# Altium PCB PCB1.PcbDoc (continued)
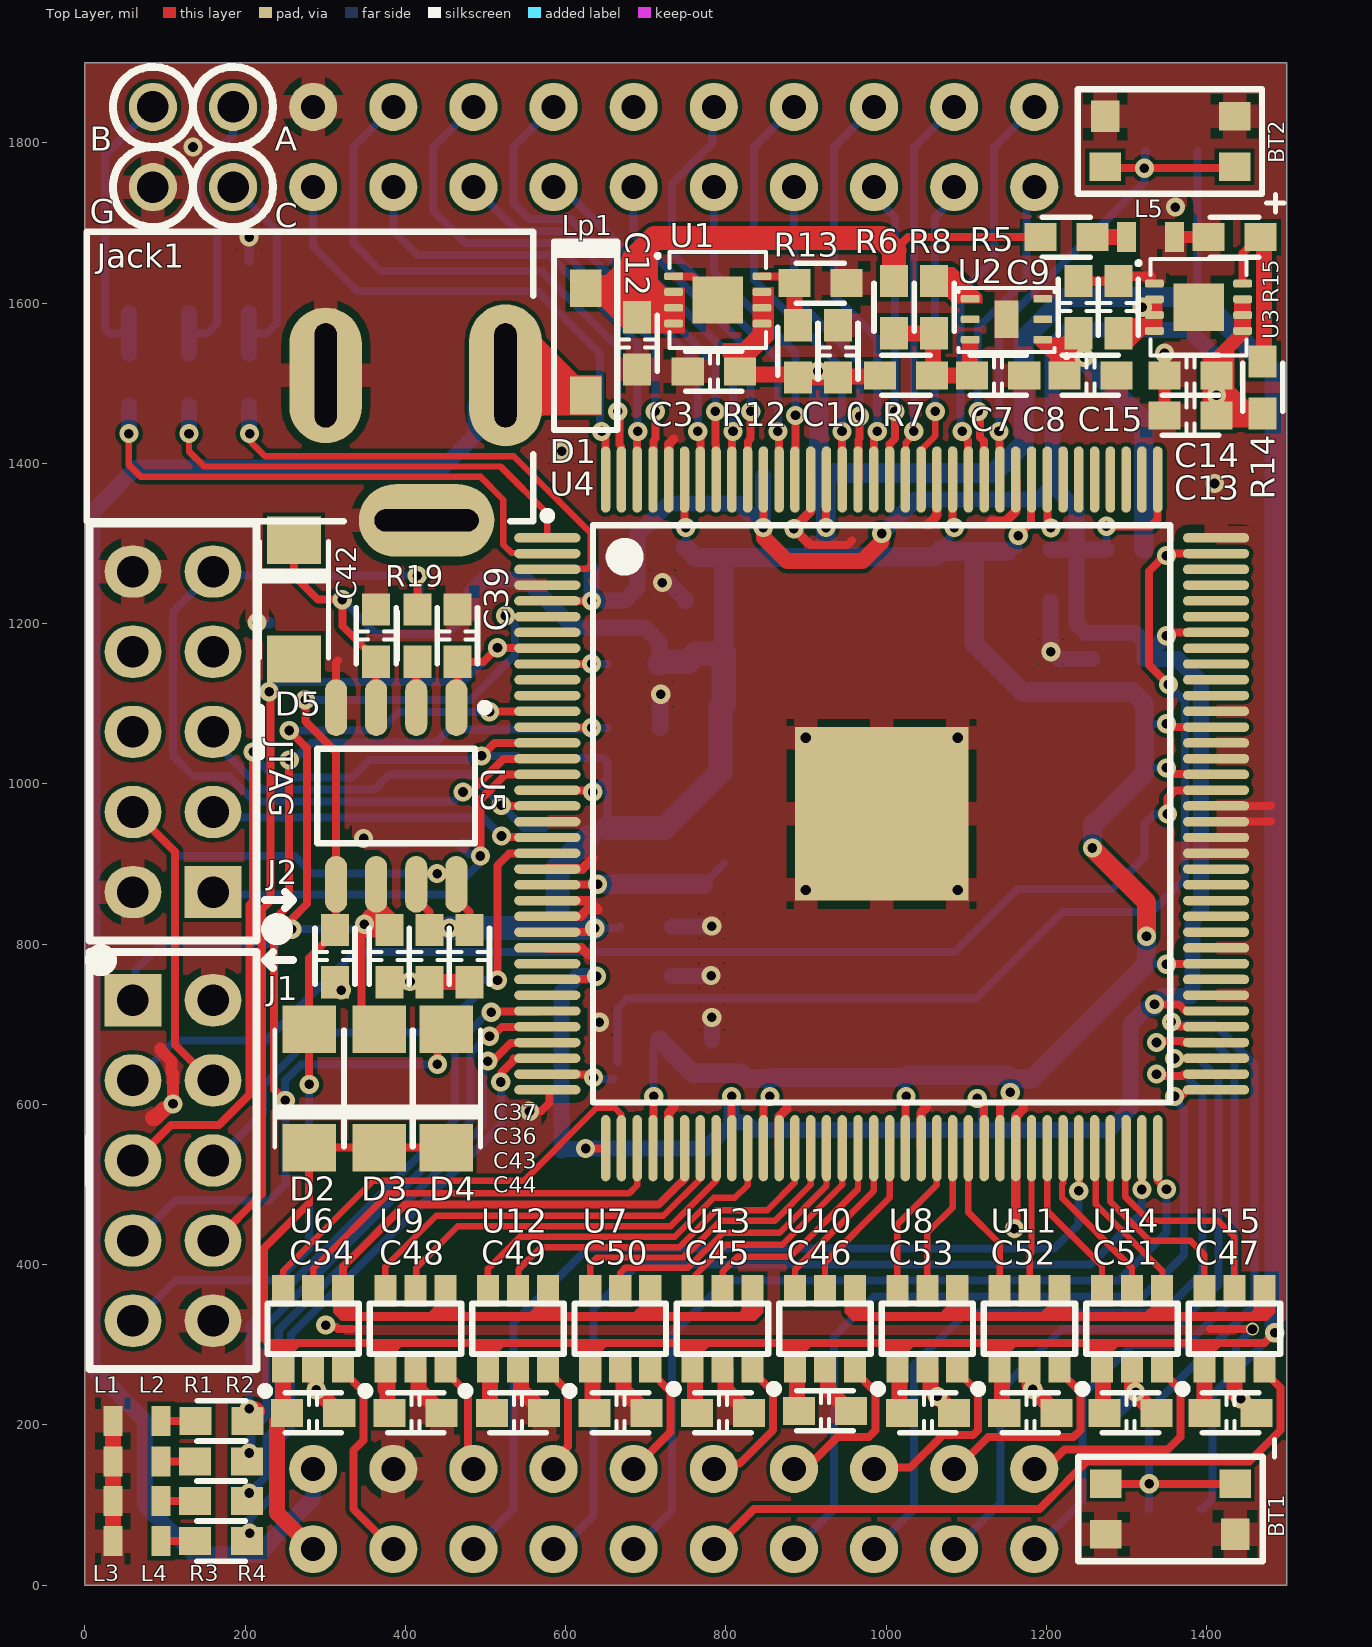
[diagram p0: Top Layer view]
## Nets (pads, with @x,y where several pads share a name; then routed paths per layer and width w, separated by ;. In a path a pad name is that pad's centre, name@x,y a point inside that pad or via, vN(x,y) a via of type N, cw(c..) or ccw(c..) an arc to the next point about the centre after c; other vN are vias at no path point) (continued)
  Top Layer w20: U6.1 247.6,219.9 C54.2 251.36,215 240,203.64 240,90 Lp1.1 ; 375,245 375,272.41 U9.1 377.85,270.25 377.85,217.51 C48.2 ; U12.1 505.65,270.2 505.65,217.56 C49.2 ; U7.1 633.45,270.14 633.45,217.62 C50.2 ; U13.1 761.26,270.09 761.26,217.67 C45.1 ; C3.1 821.25,1511.25 886.25,1511.25 R12.2 v1@915,1507.5 ; U10.1 889.06,270.03 889.06,217.72 C46.2@891.78,215 ; v1(915,1515) v1@915,1507.5 ; R7.2 991.25,1508.75 941.25,1508.75 C10.1 v1@915,1507.5 ; U8.1 1016.86,269.98 1016.86,217.78 C53.2 ; U11.1 1144.66,269.92 1144.66,217.83 C52.2 ; U14.1 1271.04,271.29 1271.04,216.46 C51.2 ; U15.1 1397.41,272.67 1397.41,215.09 C47.2
  Top Layer w24: v1(1257.5,920) 1325,852.5 v1(1325,810)
  Bottom Layer w10: J1.4@60,960 67.5,960 117.5,910 261.86,910 283.8,888.06 v1(439.64,888.06) ; v1(321.27,1230) 363.77,1187.5 452.5,1187.5 480,1215 R11.1 ; R17.2 646.64,1032.68 652.5,1026.82 C40.2 ; v1(633.78,990) C40.2@645.64,1001.86 ; v1(636.5,820) 665.72,820 C5.1 ; R9.1@652.5,945 C40.2@652.5,990 ; C40.2@652.5,995 C40.2@652.5,1000 ; v1(710,610) 710,672.5 C4.1 ; C18.2@750,1295 v1(750,1320) ; v1(1025,610) C20.2 ; C23.2@1067.47,1295.64 1085,1313.17 v1(1085,1320) ; C22.2@1165,1292.5 v1(1165,1310) ; C17.2 v1(1350,775) ; C11.1 v1(1350,1020) ; C16.2 v1(1350,1075) ; R22.2 1388.71,1609.15 1390.36,1607.5 ; R21.2 1395,95 1407.5,107.5 1407.5,237.5 v1(1485,315)
  Bottom Layer w20: R11.1 482.5,1240.08 497.42,1255 550,1255 610,1195 699.22,1195 717.5,1176.72 R16.2 ; 915,1495 v1(915,1515) ; v1(1485,315) v1@1485,325
  Bottom Layer w24: C4.1 758.5,639 819.2,639 825.7,632.5 C19.2 856,633.5 1024,633.5 C20.2 1026.82,636.32 1152.18,636.32 C21.2 1156.5,632 1181.92,632 1323.71,773.79 C17.2 1325,777.5 v1(1325,810) ; C18.2@750,1295 762.5,1282.5 797.5,1282.5 ; C41.1 797.5,1282.5 ; 915,1495 916,1494 916,1427.99 ; 916,1390 916,1425 ; C23.2 C23.2@1068.11,1290 ; C22.2@1151.5,1290 1115,1290 ; v1(1257.5,920) R18.2 1260,950 1322.5,1012.5 C11.1 C16.2 1322.5,1099.94 1307.44,1115 1170,1115 1110,1175 1110,1285 1115,1290 ; 797.5,1282.5 915,1282.5 C6.1 933.93,1283.57 1061.68,1283.57 C23.2@1068.11,1290 ; C23.2@1068.11,1290 1115,1290
  Bottom Layer w25: 916,1390 917.72,1388.28 ; C6.1 925,1381 917.72,1388.28 ; v1@1485,325 1485,1512.86 1390.36,1607.5 1223.82,1607.5 1172.35,1556.03 1172.35,1425.63 1135,1388.28 917.72,1388.28
  Bottom Layer w30: v1(455,820) 590,820 ; R9.1@628.71,933.71 590,895 590,820 ; v1(636.5,820) 590,820 ; R9.1@652.5,945 723.28,945 793.32,1015.04 793.32,1096 797.41,1100.09 C41.1@797.41,1164.91 ; R16.2 720,1152.5 752.5,1152.5 762.5,1162.5 795,1162.5 C41.1@797.41,1164.91 ; C41.1 C41.1@797.41,1164.91
  other v1: 1319.88,1595
AD01: Lp1.18 U9.3 | length 142.2
  Top Layer w10: U9.3 450.15,266.85 478.21,238.79 478.21,151.79 Lp1.18
AD02: Lp1.17 U12.3 | length 145.8
  Top Layer w10: U12.3 577.9,266.85 603.21,241.53 603.21,173.21 594.57,164.57 594.57,154.57 Lp1.17
AD03: Lp1.16 U7.3 | length 157.4
  Top Layer w10: Lp1.16 731.07,191.07 731.07,241.42 705.64,266.85 U7.3
AD04: Lp1.15 U13.3 | length 183.9
  Top Layer w10: Lp1.15 790.71,145 797.5,151.79 817.36,151.79 858.93,193.36 858.93,241.31 833.39,266.85 U13.3
AD05: Lp1.14 U10.3 | length 211.8
  Top Layer w10: Lp1.14 899.42,145 939.42,185 978.42,185 986.78,193.36 986.78,241.2 961.14,266.85 U10.3
AD06: Lp1.13 U8.3 | length 240
  Top Layer w10: Lp1.13 986.57,146.57 1030,146.57 1070.93,187.5 1108.78,187.5 1115,193.72 1115,240.73 1088.88,266.85 U8.3
AD07: Lp1.12 U11.3 | length 267.6
  Top Layer w10: Lp1.12 1087.49,145 1127.49,185 1234.14,185 1242.5,193.36 1242.5,240.98 1216.63,266.85 U11.3
AD08: Lp1.11 U14.3 | length 296.3
  Top Layer w10: Lp1.11 1198.53,145 1222.74,169.21 1351.53,169.21 1367.5,185.18 1367.5,243.73 1344.38,266.85 U14.3
AD09: Lp1.2 U6.3 | length 264
  Top Layer w10: U6.3 322.4,266.85 347.5,241.75 347.5,180.71 335,168.21 335,95 Lp1.2
AD10: Lp1.6 U15.3 | length 857
  Top Layer w10: Lp1.6 835,95 1191.57,95 1225,128.43 1225,128.75 1250.46,154.21 1453.35,154.21 1492.5,193.36 1492.5,246.47 1472.12,266.85 U15.3
ADJ_1V2: R14.1 R15.1 U3.8 | length 210.5
  Top Layer w10: U3.8 1445.12,1662.62 1465,1682.5 R15.1
  Top Layer w20: R15.1 R15.1@1468.75,1681.25 ; R14.1@1471.93,1527.5 R15.1@1471.93,1667.48
ADJ_3V3: R12.1 R13.1 U1.8 | length 98.3
  Top Layer w10: U1.8 876.85,1633.65 R13.1 ; R12.1@885.5,1577 R12.1
  Top Layer w20: R12.1@885.5,1577 R13.1
ASDO: C36.1 D2.A J2.9 U4.6 U5.5 | length 1309.5
  Top Layer w10: v1(275,1105) 275.56,1104.44 275.56,1078 313.61,1039.95 U5.5 C36.1@313.61,818.89 ; v1(280,625) D2.A 280,782.78 312.22,815 C36.1
  Bottom Layer w10: J2.9 62.93,330 112.93,380 240,380 280,420 v1(280,625) ; v1(275,1105) 481.11,1105 537,1160.89 537,1198 v1(525,1210)
BT1: BT1.3 BT1.4 R21.1 U4.77 | length 991.2
  Top Layer w10: BT1.4@1279.29,126.5 v1(1328.37,126.5) BT1.3@1440.71,126.5 ; v1(1356.15,702.96) 1359.94,702.96 1365.62,697.28 1411.5,697.28 U4.77 U4.77@1447.77,696.93
  Bottom Layer w10: R21.1 1328.37,95.87 v1(1328.37,126.5) 1328.37,218.57 1460,350.2 1460,650 1410,700 1360,700 1357.04,702.96 v1(1356.15,702.96)
BT2: BT2.3 BT2.4 R22.1 U4.119 | length 669.3
  Top Layer w10: v1(1141,1440) 1141.82,1439.18 1141.82,1380.35 U4.119 ; BT2.3@1273.54,1768.5 v1(1322.48,1768.5) BT2.4@1434.96,1768.5
  Bottom Layer w10: v1(1141,1440) 1141,1569.97 1322.48,1751.45 v1(1322.48,1768.5) v1@1323.23,1769.25 ; v1@1323.23,1768.5 v1@1323.23,1769.25 ; v1@1323.23,1769.25 1323.23,1789.51 R22.1 1323.71,1769.74 v1@1323.23,1769.25
CLK_FPGA: OSC1.3 U4.23 | length 230.8
  Top Layer w10: U4.23 577.87,874.76 v1(640,874.76)
  Bottom Layer w10: OSC1.3@772.09,874.76 OSC1.3@797.32,900
  Bottom Layer w24: v1(640,874.76) OSC1.3@772.09,874.76
CONF_DONE: J2.3 R18.1 U4.92 | length 1537.8
  Top Layer w10: v1(1351.29,962.5) 1351.29,982.5 1360.65,991.86 1411.5,991.86 U4.92
  Bottom Layer w10: J2.3 62.93,630 112.93,680 226.22,680 336.22,790 1085,790 1164.11,869.11 1282.89,869.11 1322.5,908.71 R18.1 1335,962.5 v1(1351.29,962.5)
CS-UO1: U4.38 U6.6 | length 613.4
  Top Layer w8: U6.6 247.6,392.6 359.76,504.76 548.16,504.76 639.09,595.69 661.21,595.69 669.72,587.18 U4.38 U4.38@669.72,508.89
CS-UO2: U4.43 U9.6 | length 506.7
  Top Layer w8: U9.6 375,367.59 375,397.44 438.49,460.93 722.08,460.93 U4.43@769.09,507.94 ; U4.43@768.15,508.89 U4.43
CS-UO3: U4.46 U12.6 | length 441.2
  Top Layer w8: U12.6 503.09,395 543.02,434.93 736.39,434.93 784.81,483.34 811.29,483.34 827.2,499.26 U4.46
CS-UO4: U4.50 U7.6 | length 395.5
  Top Layer w6: 630.84,401.05 632.22,402.42
  Top Layer w8: U7.6 630.84,401.05 ; 632.22,402.42 638.72,408.93 747.16,408.93 793.23,455 861.29,455 905.94,499.66 U4.50
CS-UO5: U4.52 U13.6 | length 275.2
  Top Layer w8: 762.32,387.32 800,425 870.63,425 945.32,499.69 U4.52
CS-UO6: U4.54 U10.6 | length 218.8
  Top Layer w8: U10.6 886.33,393.85 984.5,492.02 984.5,545.17 U4.54
CS-UO7: U4.58 U8.6 | length 198.6
  Top Layer w8: U8.6 1014.08,450.03 1063.43,499.37 U4.58
CS-UO8: U4.60 U11.6 | length 194.3
  Top Layer w8: U4.60 1102.8,465.04 1141.83,426.01 U11.6
CS-UO9: U4.65 U14.6 | length 206.4
  Top Layer w8: U4.65 1201.22,467.05 1269.57,398.7 U14.6
CS-UO10: U4.69 U15.6 | length 256.7
  Top Layer w8: U4.69 1279.96,478.82 1328.78,430 1380,430 1397.32,412.68 U15.6
DATA-0: C38.1 D4.A J2.7 U4.13 | length 1506.9
  Top Layer w10: v1(250,605) 236.37,618.63 236.37,830.68 255,849.31 v1(255,1030) ; v1(440,650) 440,684 D4.A@450,694 ; U4.13 577.55,1070.6 631.9,1070.6 v1(632.5,1070)
  Bottom Layer w10: J2.7 62.93,430 112.93,480 230,480 250.61,500.61 250.61,597.61 v1@258,605 ; v1(250,605) 250,630 270,650 v1(440,650) ; v1(255,1030) 261.11,1030 282.85,1051.74 437.87,1051.74 454.13,1068 630.5,1068 v1(632.5,1070) C38.1
DCLK: C37.1 D3.A J2.1 U4.12 U5.6 | length 1147.4
  Top Layer w10: v1(255,1066.74) 277,1044.74 277,850.1 258.37,831.47 v1(258.37,818.77) ; v1@345,820.93 345,714 D3.A@365,694 ; v1(348.87,824.8) 351.55,827.48 351.55,836.3 U5.6@363.61,848.36 ; U5.6@370.99,849.01 370.99,834.75 380,825.74 C37.1 ; v1(505,1090) 505.32,1090.32 576.89,1090.32 U4.12
  Bottom Layer w10: J2.1 62.93,730 62.93,767.93 95,800 239.6,800 v1(258.37,818.77) 342.84,818.77 v1(348.87,824.8) ; v1(255,1066.74) 368.37,1066.74 391.63,1090 v1(505,1090)
FONTE+5V: D1.1 Jack1.1 Lp1.20 | length 2177.1
  Bottom Layer w10: Jack1.1@487.79,1471.69 525,1508.9 Jack1.1
  Bottom Layer w20: Lp1.20 285,108.64 232.58,56.22 232.58,53.82 216.76,38 137,38 75,100 75,205 9.57,270.43 9.57,1339.57 65,1395 447,1395 487.79,1435.79 Jack1.1@487.79,1471.69
GND: BT1.1 BT1.2 BT2.1 BT2.2 C1.2 C2.2 C3.2 C4.2 C5.2 C6.2 C7.2 C8.2 C9.2 C10.2 C11.2 C12.2 C13.2 C14.2 C15.2 C16.1 C17.1 C18.1 C19.1 C20.1 C21.1 C22.1 C23.1 C24.2 C25.2 C26.2 C27.2 C28.1 C29.1 C30.1 C31.1 C32.1 C33.1 C34.1 C35.1 C36.2 C37.2 C38.2 C39.2 C40.1 C41.2 C42.2 C43.2 C44.2 C45.2 C46.1 C47.1 C48.1 C49.1 C50.1 C51.1 C52.1 C53.1 C54.1 C55.2 G.1 J1.2 J1.10 J2.2 J2.10 Jack1.2 Jack1.3 L1.2 L2.2 L3.2 L4.2 L5.2 Lp1.19 Lp1.20a OSC1.2 R10.1 R13.2 R15.2 R20.1 U1.1 U1.9 U2.3 U2.7 U3.1 U3.9 U4.4 U4.19 U4.22 U4.24 U4.25 U4.27 U4.36 U4.41 U4.48 U4.57 U4.63 U4.79 U4.82 U4.88 U4.89 U4.90 U4.91 U4.94 U4.95 U4.97 U4.108 U4.118 U4.123 U4.131 U4.140 U4.145 U5.4 U6.2 U7.2 U8.2 U9.2 U10.2 U11.2 U12.2 U13.2 U14.2 U15.2 | length 3117.4
  Top Layer w6: C51.1@1335,215 C51.1
  Top Layer w10: v1(300.59,324.59) 303.27,321.91 313.95,321.91 315.86,320 333.59,320 ; U5.4 313.61,1151.74 315.86,1153.99 ; v1(555,591.36) 555.69,592.05 570,592.05 579.92,601.97 579.92,617.35 579.09,618.19 U4.36 ; U1.1 734.96,1633.57 758.58,1633.57 788.03,1604.12 U1.9 ; 902.65,1301 905.65,1298 951.67,1298 957.42,1303.74 ; 1404.59,319.59 v3(1457.36,319.59) ; U4.90 1480.57,952.84 ; U4.91 1479.98,972.52 1480.57,973.11
  Top Layer w12: U4.27 577.3,795.26 619.9,795.26 628.48,786.68 ; U4.25 577.3,834.82 618.79,834.82 626.97,843 ; U4.24 577.3,854.32 628.78,854.32 640,843.1 ; U4.22 577.3,893.88 620.77,893.88 633.92,907.02 ; 629.43,843 630,843.57 ; U4.41 728.87,545.45 728.87,589.66 734.99,595.77 ; U4.140 728.87,1380.1 728.87,1424.31 734.99,1430.42 ; U4.48 866.67,545.45 866.67,585.1 875.93,594.37 ; 902.65,1301 v1(885,1318.63) 885,1319.36 905.85,1340.21 905.85,1379.91 U4.131 ; U4.57 1043.83,545.45 1043.83,589.66 1049.95,595.77 ; 1051.48,1323.38 1063.33,1335.23 1063.33,1379.91 U4.123 ; 1130,1326.16 1131.5,1327.66 1149.17,1327.66 1159.07,1337.57 1161.76,1340.25 1161.76,1379.91 U4.118 ; v1@1160,438.51 1160,444.8 v1(1160.2,445) ; v1@1161.85,444.8 U4.63 U4.63 1161.95,585.11 1171.21,594.37 ; C9.2 C15.2 1296.15,1633.65 1330.87,1633.65 ; v1@1347.5,1537.31 v1(1347.5,1537.5)
  Top Layer w15: 94.14,670 94.14,668.18 107.93,654.39 107.93,640.77 110,638.71 v1(110,600.69) ; C13.2 C14.2 ; L5.2 R15.2
  Top Layer w20: L4.2 L3.2 L2.2 L1.2 ; 85,582.78 87.42,582.78 99.15,594.5 ; U6.2 U6.2@288.01,269.74 ; C36.2 312.22,750.44 v1(320,742.67) ; C54.1 315,215 307.5,222.5 307.5,225 v1(288.78,243.72) ; C37.2 428.27,752.5 429.13,753.37 C43.2 C44.2 ; U9.2 416.53,268.98 416.53,243.83 435.36,225 435.36,222.5 442.86,215 C48.1 ; U12.2 544.27,268.98 544.27,243.94 563.21,225 563.21,222.5 570.71,215 C49.1 ; U7.2 672.02,268.98 672.02,244.05 691.07,225 691.07,222.5 698.57,215 C50.1 ; U13.2 799.77,268.98 799.77,244.16 818.93,225 818.93,222.5 826.43,215 C45.2 ; U10.2 927.51,268.98 927.51,244.27 946.78,225 946.78,222.5 954.28,215 C46.1@956.78,215 ; U8.2 1055.26,268.98 1055.26,244.38 v1(1064.1,235.54) C53.1 ; U11.2 1179.23,248.27 v1(1183.01,244.49) 1202.5,225 1202.5,222.5 1210,215 C52.1 ; U14.2 1306.98,246.56 1311.47,242.07 v1(1311.47,240.98) 1309.02,240.98 C51.1@1335,215 ; U15.2 1434.72,240.28 v1(1442.56,232.44) 1460,215 C47.1 C47.1@1463.43,215 ; U6.2@288.01,269.74 288.78,268.98 v1(288.78,243.72) ; U6.2@288.01,269.74 288.01,244.49 v1(288.78,243.72)
  Bottom Layer w10: v1(347.92,931.95) 354.87,925 R10.1 ; 1436.56,290 1436.56,298.79 v3(1457.36,319.59)
  Bottom Layer w12: C1.2 v1(205,1682.5)
  Bottom Layer w15: v1(215,1201.53) 230,1201.53
  Bottom Layer w20: v1(642.21,702.5) 642.5,702.21 v1@642.5,702 ; C38.2 718.17,1070.67 718.17,1111.26 v1(718.84,1111.93) ; v1(720.83,1251.33) 721.6,1250.57 729.43,1250.57 750,1230 C18.1 ; C24.2 732.9,760.4 781.24,760.4 v1(781.64,760.81) ; C5.2 733.09,822.36 782.08,822.36 v1(782.33,822.61) ; C4.2 v1(782.5,708.57) ; C35.1 1205,1165.68 v1(1205.78,1164.91) 1206.86,1164.91 1216.06,1155.71 C27.2 ; 1278.85,210 1280.48,210 1310.16,239.68 v1@1310.16,240.66 ; v1(1410,1375) v1@1410,1375.66
  other v1: 405.81,753.37 1361.14,1720 135,1795
  other v2: 899.53,867.68 1089.53,867.68 899.53,1057.68 1089.53,1057.68
  other v4: 595,1415.43
GPIO0: Lp1.1a U4.144 | length 648
  Top Layer w10: v1(645,1440) 645,1436.21 649.69,1431.52 649.69,1380.35 U4.144
  Bottom Layer w10: Lp1.1a 285,1670 340,1615 565,1615 643,1537 643,1442 v1(645,1440)
GPIO1: Lp1.2a U4.142 | length 588.2
  Top Layer w10: U4.142 689.41,1439.41 v1(690,1440)
  Bottom Layer w10: Lp1.2a 385,1690 415,1660 580,1660 690,1550 v1(690,1440)
GPIO2: Lp1.3a U4.138 | length 517.4
  Top Layer w10: v1(765,1440) 768.15,1436.85 U4.138
  Bottom Layer w10: Lp1.3a 540,1690 600,1690 765,1525 v1(765,1440)
GPIO3: Lp1.4a U4.136 | length 464.3
  Top Layer w10: U4.136 807.52,1438.52 v1(809,1440)
  Bottom Layer w10: Lp1.4a 595,1745 809,1531 v1(809,1440)
GPIO4: Lp1.5a U4.135 | length 427
  Top Layer w10: U4.135 827.55,1380.35 827.55,1427.44 831,1430.89 v1(831,1465)
  Bottom Layer w10: Lp1.5a 685,1685 831,1539 v1(831,1465)
GPIO5: Lp1.6a U4.132 | length 407.6
  Top Layer w10: U4.132 886.61,1380.35 886.61,1419.61 887,1420 v1(887,1460)
  Bottom Layer w10: Lp1.6a 785,1640 887,1538 v1(887,1460)
GPIO6: Lp1.7a U4.128 | length 399.8
  Top Layer w10: U4.128 965.35,1380.35 965.35,1429.23 967,1430.89 v1(967,1459.01)
  Bottom Layer w10: Lp1.7a 885,1607.68 967,1525.68 v1(967,1459.01)
GPIO7: Lp1.8a U4.126 | length 378.5
  Top Layer w10: U4.126 1004.5,1380.13 1004.5,1424.38 1011,1430.89 v1(1011,1465)
  Bottom Layer w10: Lp1.8a 985,1733.36 1011,1707.36 v1(1011,1465)
GPIO8: Lp1.9a U4.124 | length 382.1
  Top Layer w8: U4.124 1043.74,1416.83 1061.29,1434.38 v1(1061.29,1465)
  Bottom Layer w10: v1(1061.29,1465) 1061.29,1707.76 1085,1731.47 Lp1.9a
GPIO9: Lp1.10a U4.120 | length 397.1
  Top Layer w10: v1(1115,1465) 1117.45,1462.55 1117.45,1432.44 1122.13,1427.75 1122.13,1380.35 U4.120
  Bottom Layer w10: v1(1115,1465) 1115,1570 1175,1630 1175,1735 Lp1.10a
GPIO10: Lp1.19a U4.143 | length 741.5
  Top Layer w10: v1(665,1465) 667,1463 667,1423.76 669.38,1421.38 669.38,1380.35 U4.143
  Bottom Layer w10: Lp1.19a 335,1795 335,1675 370,1640 570,1640 665,1545 v1(665,1465)
GPIO11: Lp1.18a U4.141 | length 667.2
  Top Layer w10: U4.141 709.44,1380.35 709.44,1428.33 712,1430.89 v1(712,1465)
  Bottom Layer w10: Lp1.18a 434.5,1794.5 434.5,1715.5 475,1675 586.21,1675 712,1549.21 v1(712,1465)
GPIO12: Lp1.17a U4.137 | length 620.4
  Top Layer w10: v1(787,1465) 787,1423.72 787.49,1423.24 787.49,1380.35 U4.137
  Bottom Layer w10: Lp1.17a 535,1795 535,1725 555,1705 606.21,1705 787,1524.21 v1(787,1465)
GPIO13: Lp1.15a U4.133 | length 542
  Top Layer w10: v1(865,1440) 866.23,1438.77 866.23,1380.35 U4.133
  Bottom Layer w10: Lp1.15a 783.43,1843.43 783.43,1800 732.84,1749.41 732.84,1662.16 865,1530 v1(865,1440)
GPIO14: Lp1.14a U4.129 | length 531.4
  Top Layer w10: v1(945,1440) 945.16,1439.84 945.16,1380.16 U4.129
  Bottom Layer w10: Lp1.14a 835,1795 835,1629.3 945,1519.3 v1(945,1440)
GPIO15: Lp1.13a U4.127 | length 509.9
  Top Layer w10: U4.127 985.03,1380.35 985.03,1432.24 989,1436.21 v1(989,1440)
  Bottom Layer w10: Lp1.13a 935,1795 935,1610 989,1556 v1(989,1440)
GPIO16: Lp1.12a U4.125 | length 486.3
  Top Layer w8: U4.125 1024.78,1380.73 1024.78,1426.07 1032.32,1433.61 v1@1032.32,1437.32
  Bottom Layer w10: v1(1034.69,1440.31) 1034.69,1794.69 Lp1.12a
GPIO17: Lp1.11a U4.121 | length 507.2
  Top Layer w10: v1(1095,1440) 1095,1436.21 1102.45,1428.76 1102.45,1380.35 U4.121
  Bottom Layer w10: v1(1095,1440) 1093,1442 1093,1613 1135,1655 1135,1795 Lp1.11a
GPIO18: Lp1.3 U4.67 | length 1154.6
  Top Layer w10: v1(1240.59,492.02) U4.67
  Bottom Layer w10: Lp1.3 535,95 535,327.5 627.5,420 1210,420 1240,450 1240,490 1240.59,490.59 v1(1240.59,492.02)
GPIO19: Lp1.4 U4.71 | length 1140.3
  Top Layer w10: v1(1319.33,493.74) U4.71
  Bottom Layer w10: Lp1.4 593.14,45 635,86.86 635,345 690,400 1255,400 1319.33,464.33 v1(1319.33,493.74)
GPIO20: Lp1.5 U4.72 | length 1067.4
  Top Layer w10: U4.72 1339.02,505.17 1341.33,502.85 1341.33,502.69 v1(1350,494.02)
  Bottom Layer w10: Lp1.5 732.84,92.84 732.84,312.84 800,380 1290,380 1350,440 v1(1350,494.02)
GPIO21: Lp1.7 U4.73 | length 1023.2
  Top Layer w10: v1(1360,610) 1362.68,612.68 1370.42,612.68 1375.93,618.19 U4.73
  Bottom Layer w10: Lp1.7 935,95 935,310 985,360 1320,360 1372,412 1372,594.21 1360,606.21 v1(1360,610)
GPIO22: Lp1.8 U4.74 | length 1026.5
  Top Layer w10: v1(1337.5,637.88) 1340.05,635.33 1369.11,635.33 1371.32,637.53 1411.5,637.53 U4.74
  Bottom Layer w10: Lp1.8 1035,95 1035,275 1100,340 1345,340 1395,390 1395,614.5 1374.3,635.2 1340.18,635.2 v1(1337.5,637.88)
GPIO23: Lp1.9 U4.75 | length 919
  Top Layer w10: v1(1360,657.33) U4.75@1407.84,657.33
  Bottom Layer w10: Lp1.9 1142.74,102.74 1142.74,242.74 1220,320 1360,320 1415,375 1415,632 1389.67,657.33 v1(1360,657.33)
GPIO24: Lp1.10 U4.76 | length 935.8
  Top Layer w10: v1(1337.5,677.24) 1339.58,679.33 1369.11,679.33 1370.85,677.59 1411.5,677.59 U4.76
  Bottom Layer w10: Lp1.10 1245,105 1245,237.5 1307.5,300 1375,300 1435,360 1435,652 1407.67,679.33 1339.58,679.33 v1(1337.5,677.24)
LED1: R1.1 U4.31 | length 708.8
  Top Layer w10: v1(507.32,715) 508.59,716.27 564.65,716.27 U4.31@565,716.62
  Top Layer w20: R1.1 215,216.96 211.96,220 v1(205,220)
  Bottom Layer w10: v1(205,220) 205.43,220.43 205.43,324.22 462,580.79 462,673.11 503.89,715 v1(507.32,715)
LED2: R2.1 U4.32 | length 722.7
  Top Layer w10: v1(505,685) 508.79,685 520.72,696.93 U4.32
  Bottom Layer w10: v1(205,165) 207.68,167.68 207.68,191.57 227,210.89 227,324.57 481.09,578.67 481.09,663.23 502.86,685 v1(505,685)
LED3: R3.1 U4.33 | length 744.8
  Top Layer w10: v1(503.09,654.12) 509.12,654.12 531.9,676.9 564.31,676.9 U4.33@564.65,677.24
  Top Layer w15: R3.1 205,107.5 v1(205,115)
  Bottom Layer w10: v1(205,115) 227,137 227,185.29 242,200.29 242,318.33 497.22,573.55 497.22,648.25 v1(503.09,654.12)
LED4: R4.1 U4.34 | length 732.2
  Top Layer w10: v1(519.22,628.03) 520,628.81 520,639.91 535.1,655.01 535.1,657.21
  Top Layer w20: R4.1 R4.1@205,57.5
  Bottom Layer w10: v1(205.58,65) 205.58,82.52 245,121.94 245,182.07 257,194.07 257,312.11 519.22,574.33 v1(519.22,628.03)
nCE: J2.6 R20.2 U4.21 | length 693
  Top Layer w10: v1(515,755) 515,898.5 529.62,913.12 576.86,913.12 U4.21
  Bottom Layer w10: J2.6 162.93,530 222.12,589.19 222.12,623.34 288.79,690 442.5,690 485,732.5 485,754.5 485.5,755 v1(515,755)
nCONFIG: J2.5 R17.1 U4.14 | length 1063.7
  Top Layer w10: J2.5 62.93,530 107.44,574.5 167.54,574.5 205.43,612.4 205.43,848.99 210,853.56 v1(210,1040) ; v1(495,1035) 511.26,1051.26 U4.14
  Bottom Layer w10: J2.5 J2.5@62.93,530 ; v1(210,1040) 210,1035 237,1008 333,1008 355,1030 480.1,1030 482.42,1032.32 492.68,1032.32 495,1030 500,1035 540.18,1035 R17.1
nCSO: C39.1 D5.A J2.8 U4.8 U5.1 | length 1202.7
  Top Layer w10: J2.8 162.93,430 221.37,488.43 221.37,843.71 232,854.35 232,1113 v1(230,1115) ; U5.1 465,1096.62 C39.1 497.5,1152.5 v1(515,1170) 515.31,1169.69 576.89,1169.69 U4.8
  Bottom Layer w10: v1(230,1115) 242,1127 472,1127 v1(515,1170)
NetA_1: A.1 C55.1 R23.2 | length 389.2
  Bottom Layer w10: 130,1562.5 152.5,1562.5 165,1575 165,1700 140,1725 140,1765 185,1810 A.1
  Bottom Layer w20: R23.2 130,1562.5 C55.1
NetB_1: B.1 C2.1 R24.2 | length 383.9
  Bottom Layer w10: 55,1562.5 30.86,1562.5 25,1568.36 25,1785 B.1
  Bottom Layer w20: R24.2 55,1562.5 C2.1
NetC1_1: C1.1 C.1 R25.2 | length 282.4
  Bottom Layer w10: C.1 239.6,1690.4 239.6,1575 227.1,1562.5 205,1562.5
  Bottom Layer w20: R25.2 205,1562.5 C1.1
NetC7_1: C7.1 R6.1 R7.1 R8.2 U2.6 | length 189.6
  Top Layer w20: R6.1 R8.2 1058.75,1561.25 1058.75,1511.25 R7.1 C7.1 1105,1512.5 1105,1545
NetL1_1: L1.1 R1.2 | length 43
  Top Layer w10: L1.1 R1.2
NetL2_1: L2.1 R2.2 | length 42.5
  Top Layer w10: L2.1 R2.2
NetL3_1: L3.1 R3.2 | length 42.5
  Top Layer w10: L3.1 R3.2
NetL4_1: L4.1 R4.2 | length 42.5
  Top Layer w10: L4.1 R4.2
NetL5_1: L5.1 R5.2 | length 42.5
  Top Layer w20: R5.2 L5.1
NetR8_1: R8.1 U2.4
NetR19_2: R19.2 U5.2 | length 57.8
  Top Layer w10: U5.2 413.61,1151.11 R19.2
nSTATUS: R16.1 U4.9 | length 70.4
  Top Layer w10: U4.9 577.36,1149.84 627.34,1149.84 v1@627.5,1150
  Bottom Layer w10: v1(632.5,1150) R16.1
PWM_DAC_1: R23.1 U4.1 | length 567.3
  Top Layer w8: v1(130,1437.32) 130,1415 148.83,1396.17 518.83,1396.17 577.2,1337.8 U4.1
  Bottom Layer w20: v1(130,1437.32) R23.1
PWM_DAC_2: R24.1 U4.2 | length 675.3
  Top Layer w8: v1(55,1437.32) 55,1398.17 70,1383.17 493.98,1383.17 522.34,1354.81 522.34,1298.66 532.79,1288.21 576.48,1288.21 U4.2
  Bottom Layer w20: v1(55,1437.32) R24.1
PWM_DAC_3: R25.1 U4.3 | length 614.5
  Top Layer w8: v1(205.58,1437.32) 205.58,1428.52 224.93,1409.17 535.3,1409.17 631.66,1312.82 631.66,1273.21 626.98,1268.53 577.93,1268.53 U4.3
  Bottom Layer w8: v1@205,1437.9 v1(205.58,1437.32)
  Bottom Layer w20: v1@205,1437.9 R25.1
SPI-CLK: U4.42 U6.4 U7.4 U9.4 U12.4 U13.4 | length 1201.6
  Top Layer w10: U9.4 450,367.1 450,335.86 ; U12.4 580,365.14 580,335.86 ; U7.4 710,362.89 710,335.86 ; 735.09,493.74 716.28,474.93 399.89,474.93 322.4,397.44 U6.4 325,364.65 325,340.86 330,335.86 450,335.86 ; 735.37,494.02 U4.42@749.62,508.27 ; U4.42@748.47,509.43 U4.42 ; U13.4 827.53,361.39 827.53,335.86 710,335.86 ; 450,335.86 580,335.86 ; 580,335.86 710,335.86
SPI-CLK2: U4.68 U8.4 U10.4 U11.4 U14.4 U15.4 | length 883.8
  Top Layer w8: U4.68 1261,544.63 1261,511.17 1261.59,510.59 1261.59,475.34 1345,391.93 1345,367.87 U14.4 1344.38,335
  Top Layer w10: U10.4 960,366.11 960,340 965,335 1088.88,335 ; U8.4 1088.88,335 ; U11.4 1216.63,335 ; U15.4 1472.12,335.86 1471.27,335 1344.38,335 1216.63,335 ; 1088.88,335 1216.63,335
SPI-DATA-UO1: U4.39 U6.5 | length 521.5
  Top Layer w8: U6.5 285,395 378.93,488.93 679.08,488.93 689.41,499.26 689.41,508.89 U4.39
SPI-DATA-UO2: U4.44 U9.5 | length 488.9
  Top Layer w8: U9.5 413.61,368.11 413.61,395.93 465.61,447.93 731.01,447.93 787.83,504.76 U4.44
SPI-DATA-UO3: U4.49 U12.5 | length 459.7
  Top Layer w8: U12.5 541.28,368.03 541.28,393.85 569.36,421.93 741.78,421.93 787.85,468 851.56,468 886.26,502.7 U4.49
SPI-DATA-UO4: U4.51 U7.5 | length 372
  Top Layer w8: U7.5 668.24,390 674.17,395.93 752.54,395.93 796.62,440 867.24,440 925.63,498.38 U4.51
SPI-DATA-UO5: U4.53 U13.5 | length 288.1
  Top Layer w8: U13.5@795,380.36 U13.5@795.99,379.37 ; U13.5 U13.5@795.99,379.37 ; U4.53 965,494.5 880.5,410 814.58,410 795.99,391.4 U13.5@795.99,379.37
SPI-DATA-UO6: U4.55 U10.5 | length 211.5
  Top Layer w8: U10.5 923.73,402.71 1004.37,483.34 U4.55
SPI-DATA-UO7: U4.59 U8.5 | length 191.2
  Top Layer w8: U8.5 1051.48,439.71 1083.11,471.34 U4.59
SPI-DATA-UO8: U4.64 U11.5 | length 179.1
  Top Layer w8: U11.5 1179.23,412.71 1181.53,415.02 U4.64
SPI-DATA-UO9: U4.66 U14.5 | length 214.9
  Top Layer w8: U4.66 1220.91,502.03 1219.59,500.71 1219.59,483.32 1220.18,482.73 1306.98,395.93 U14.5
SPI-DATA-UO10: U4.70 U15.5 | length 285.7
  Top Layer w8: U4.70 1298.92,544.63 1298.92,509.48 1298.33,508.89 1298.33,485.04 1328.37,455 1414.72,455 1434.72,435 U15.5
TCK: J1.1 R10.2 U4.16 | length 593.5
  Top Layer w10: v1(493.71,910) 493.71,980.57 524.68,1011.54 576.86,1011.54 U4.16
  Bottom Layer w10: J1.1@162,862 453.44,862 493.71,902.27 v1(493.71,910) 491.03,912.68 491.03,923.93 487.79,927.18 469.18,927.18 R10.2 479.5,912.5 v1@490.86,912.5
TDI: J1.9 R11.2 R19.1 U4.15 | length 1106.1
  Top Layer w10: R19.1 413.89,1218.61 415,1219.72 v1(415,1260) ; v1(472,990) 481.11,990 522.34,1031.23 576.86,1031.23 U4.15
  Bottom Layer w10: R11.2 417.5,1257.5 v1(415,1260) 155,1260 110,1215 110,1035 135.96,1009.04 180.41,1009.04 211.45,978 460,978 v1(472,990)
TDO: J1.3 U4.20 | length 428.3
  Top Layer w10: v1(520,935) 521.5,933.5 576.86,933.5 U4.20
  Bottom Layer w10: J1.3@160,960 162,958 497,958 v1(520,935)
TMS: J1.5 R9.2 U4.18 | length 537.9
  Top Layer w10: v1@520,972.52 U4.18
  Bottom Layer w10: J1.5@160,1060 175.84,1044.16 175.84,1038.05 220.89,993 361.38,993 380.38,1012 481.11,1012 v1(519.61,973.51) 548.11,945 R9.2
VIN: C12.1 D1.2 R5.1 R6.2 U1.2 U1.3 U1.4 | length 569.4
  Top Layer w10: 1010.58,1665.58 1027.5,1682.5 R5.1
  Top Layer w30: 685,1655 711.25,1681.25 994.91,1681.25 1010.58,1665.58 ; R6.2 1010,1665
pads on no net: J1.6 J1.7 J1.8 Lp1.16a OSC1.1 U2.2 U2.5 U4.7 U4.10 U4.11 U4.28 U4.30 U4.80 U4.83 U4.84 U4.85 U4.86 U4.87 U4.98 U4.99 U4.100 U4.101 U4.103 U4.104 U4.105 U4.106 U4.110 U4.111 U4.112 U4.113 U4.114 U4.115

## Polygon pours and split planes (outlines as drawn)
GND on Top Layer "GND_L01_P000" (solid, remove dead copper, pour order 0): 1500,1900 1500,0 0,0 0,1900
GND on Bottom Layer "Bottom Layer-GND" (solid, remove dead copper, pour order 4): 0,1900 1500,1900 1500,0 0,0

## Other copper
Top Layer:
  region net DCLK: 345,832.26 354.44,841.7 354.44,850 374.82,850 390,834.82 390,808.6 346.4,808.6 344.14,810.86 344.14,831.47
  region net 3V3: 738.19,298.08 746.27,290 770.99,290 779.07,298.08
  region net 3V3: 227.2,298.08 235.28,290 260,290 268.08,298.08
  region net 3V3: 354.94,298.08 363.02,290 387.75,290 395.83,298.08
  region net 3V3: 482.69,298.08 490.77,290 515.49,290 523.57,298.08
  region net 3V3: 610.44,298.08 618.52,290 643.24,290 651.32,298.08
  region net 3V3: 865.93,298.08 874.01,290 898.73,290 906.81,298.08
  region net 3V3: 993.68,298.08 1001.76,290 1026.48,290 1034.56,298.08
  region net 3V3: 1121.43,298.08 1129.51,290 1154.23,290 1162.31,298.08
  region net 3V3: 1249.17,298.08 1257.25,290 1281.98,290 1290.06,298.08
  region net 3V3: 1376.92,298.08 1385,290 1409.72,290 1417.8,298.08
  region net 1V2: 1434.72,1610 1455,1610 1455,1561.25 1434.72,1540.97 1434.72,1495.4 1455,1475.12 1455,1445 1425,1445 1395,1475 1395,1532.5 1402.5,1532.5 1433.12,1563.12 1434.72,1563.12
  region: 1550,1532.01
  region net 3V3: 1304.93,1581.25 1325,1581.25 1325,1604.84 1345,1604.84 1345,1561.87 1344.38,1561.25 1323.23,1561.25 1306.98,1545
  region net 2V5: 1185,1550 1205,1530 1205,1525 1240,1525 1255,1540 1255,1580 1225,1580 1225,1562.5 1220,1557.5 1205,1557.5
  region net NetR8_1: 1045,1610 1074.12,1610 1084.12,1600 1120,1600 1120,1610 1085,1645 1065,1645
  region net NetC7_1: 1095,1542.4 1095,1550 1115,1550 1115,1542.5
  region net 3V3: 833.39,1620 860,1620 860,1555 835,1530 800,1530 795.99,1534.01 795.99,1550 818.39,1550 833.39,1565
  region net VIN: 640.47,1635.02 640.47,1600 677.97,1562.5 748.47,1562.5 748.47,1618.62 747.09,1620 724.53,1620 715,1629.53 715,1670 685,1670 650.02,1635.02
  region net FONTE+5V: 550.2,1574.79 615,1510 645,1510 645,1460 571.74,1460 533.12,1421.38 533.12,1457.88 526,1465
  region net SPI-CLK2: 948.68,350 948.68,340 958.68,330 1475.57,330 1485.57,340 1485.57,350 1458.68,350 1458.68,343.5 1456.03,340.86 1367.46,340.86 1358.68,350 1333.68,350 1323.68,340.86 1238.68,340.86 1228.68,350 1202.82,350 1193.68,340.86 1113.68,340.86 1102.29,350 1077.17,350 1068.68,340.86 982.82,340.86 973.68,350
  region net SPI-CLK: 310,350 310,340 320,330 836.89,330 846.89,340 846.89,350 820,350 820,343.5 817.36,340.86 728.78,340.86 720,350 695,350 685,340.86 600,340.86 590,350 564.14,350 555,340.86 475,340.86 463.61,350 438.49,350 430,340.86 344.14,340.86 335,350

## Silkscreen, mask and mechanical layers (free items; w line width, h text height)
Top Overlay:
  drawing of 98 lines, arcs and shapes, not listed
  text "JTAG" at 230,1055 h30 r270
Bottom Overlay:
  drawing of 2609 lines, arcs and shapes, not listed
  text "Designed by José Arbugeri / Prof: Samir A. M. / Date: 04/2020 / INEP/UFSC  v 1.0" at 750,244 h50